# Altium PCB Thermostat_8CH.PCBDOC (part 8 of 10) (continued)
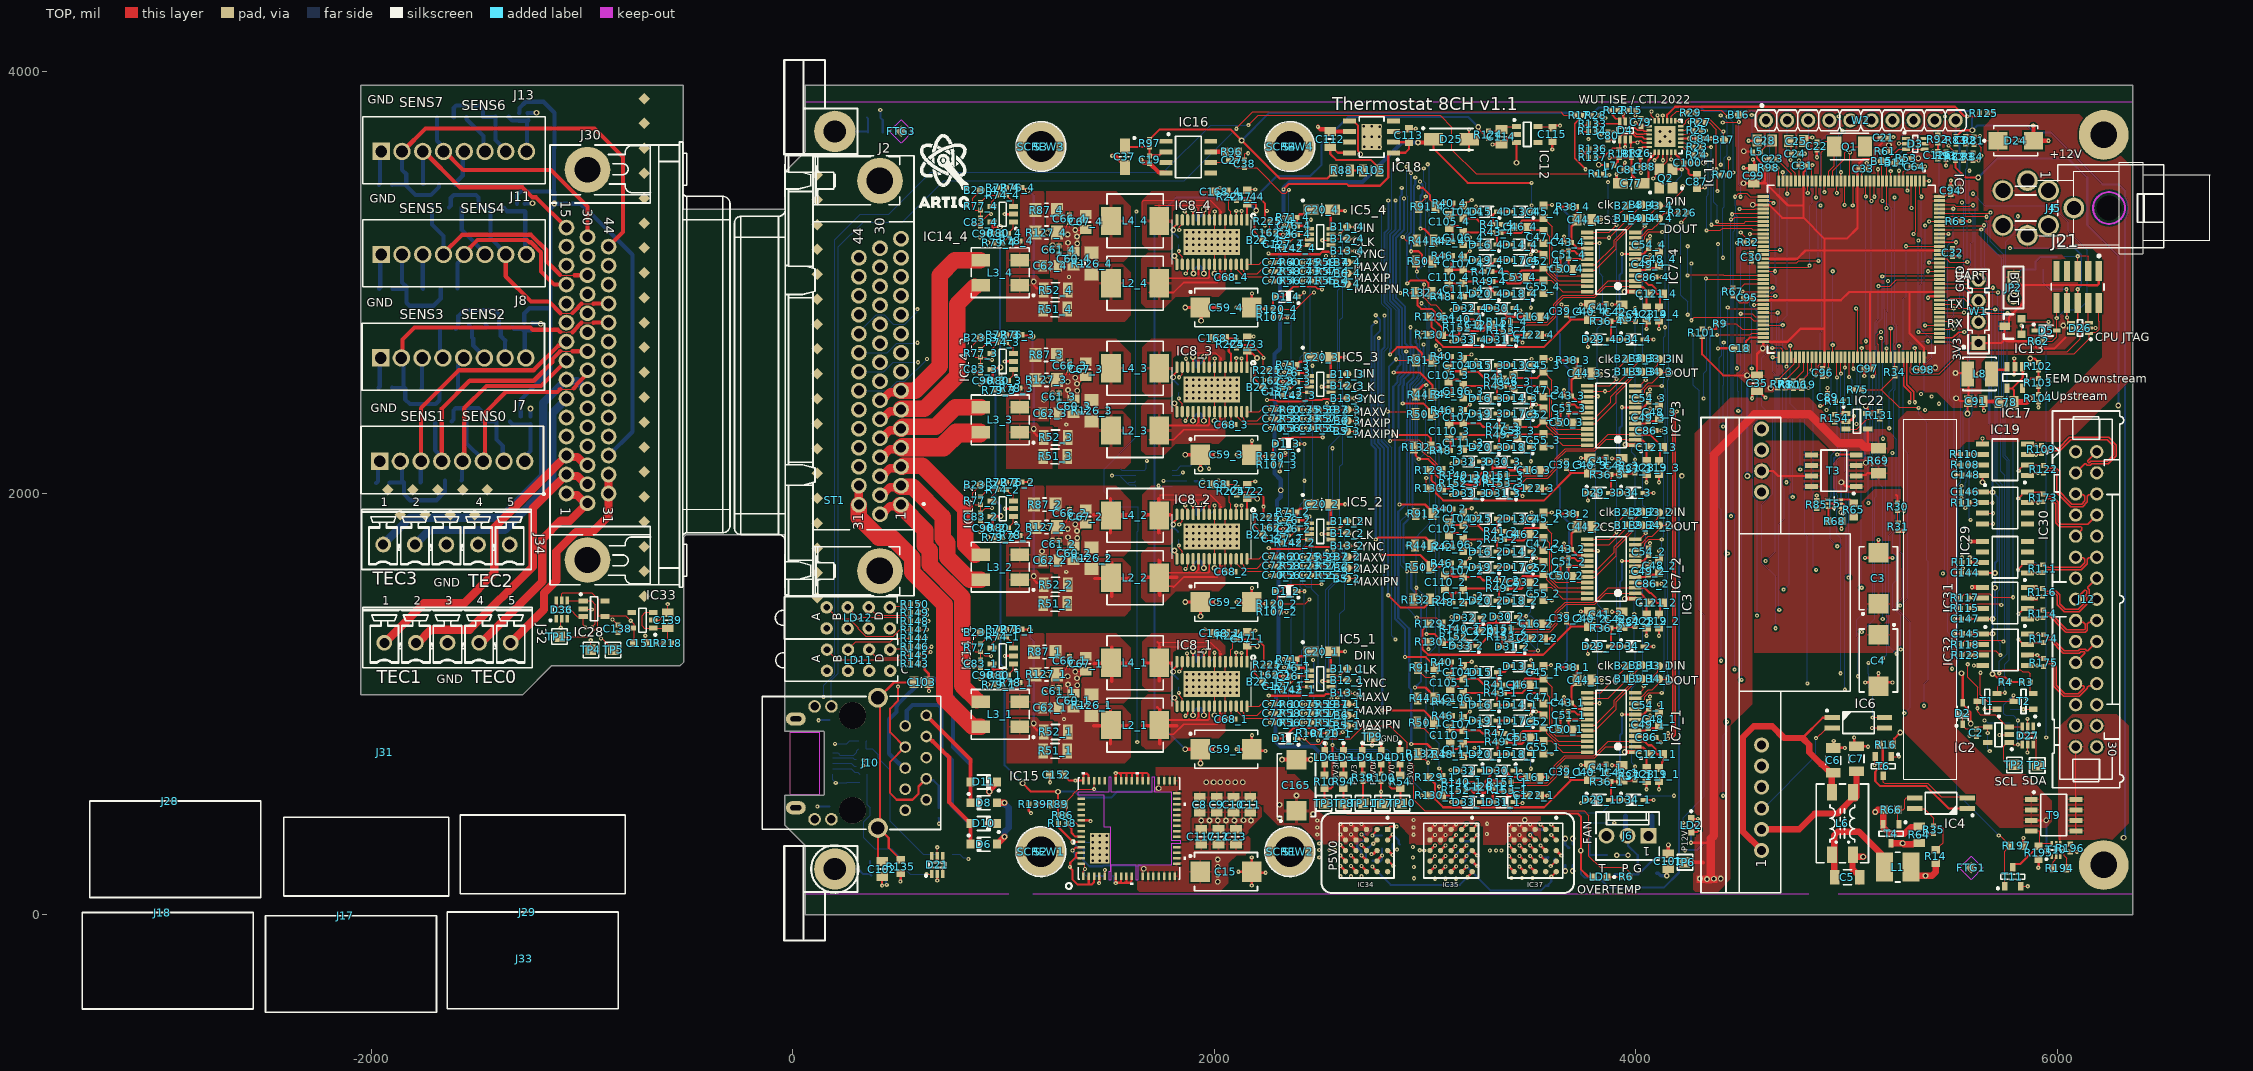
[diagram p0: TOP view]
## Nets (pads, with @x,y where several pads share a name; then routed paths per layer and width w, separated by ;. In a path a pad name is that pad's centre, name@x,y a point inside that pad or via, vN(x,y) a via of type N, cw(c..) or ccw(c..) an arc to the next point about the centre after c; other vN are vias at no path point) (continued)
  L2 w19.68: v2(4304.93,171.26) 4311.19,165 4339.4,165 4337.5,166.9 v2(4337.5,169)
  L2 w35: v2(2016.14,262.53) 2116.27,262.53 2249.97,128.82 ; 3015.24,203.58 3015.24,167.74 3054.15,128.82 4283.79,128.82 4304.29,149.33 4304.29,160.5 4308.79,165 4339.4,165 4339.4,174.65 v2@4339.68,174.93
  BOT w10: v2@1329.62,342 1356.66,314.96 C14.2@1383.86,314.96 1382,313.1 1382,269.28 1375.5,262.79 1375.5,261.21 1406.72,230 1469.36,230 1472.36,233 1651,233 1665,219 v2(1665,218.47) ; v2(2129.21,3674.47) 2260.74,3806 3799.33,3806 3824.91,3831.58 4216.38,3831.58 4219.15,3834.34 4304.33,3834.34 4324.18,3814.5 5589,3814.5 5594.86,3808.64 5594.86,3724.95 v2(5597.13,3722.69) 5619.33,3744.89 5857.93,3744.89 5890.03,3712.8 5969.01,3712.8 6215.81,3466 6291,3466 6317.76,3439.24 6320.69,3436.31 6320.69,3404.5 cw(c6245.7,3353.73) 6336.26,3353.6 6336.26,3352.9 cw(c6245.7,3353.73) 6320.69,3302.95 6320.69,370.69 v2(6315,365) ; v1(4262.08,341.62) 4262.08,377.44 R90.2@4262.8,378.15
  BOT w11.81: v2@3665.06,206.02 C166.2@3665.06,234.36 ; v2(3700.89,207.47) C166.2@3700.89,235.81
  BOT w15.75: T7.2@4099.5,196.96 4107.38,196.96 4119.38,184.95 v5(4146.39,184.95) 4147.38,185.93 4147.38,214.87 R13.2@4148.36,215.86
  other v1: 3047.45,170.73 3097.15,170.73 3147.45,170.73 2947.48,173.08 3410.48,174.43 3460.18,174.43 3510.48,174.43 2598.08,183.22 2648.08,183.22 2698.08,183.22 2946.49,226.41 3247.28,280.81
  other v2: 2016.14,156.23 4402.99,171.26 2016.14,191.66 3665.06,207.47 2016.14,227.09
P12V0_EEM: J12.28 J12.29 T9.5 T9.6 T9.7 T9.8 T10.4 | length 441.1
  TOP w5: T10.4@6013.74,338.67 6013.74,354.96 6012.88,355.82 6012.88,359.96 6013.74,360.82 6013.74,379.25 ; J12.29@6087.18,796.79 6087.18,400.1 T9.5@6089.36,397.92
P12V0_IN: D24.1 IC22.5 J4.3 J5.3 J5.4 R69.1 R131.2 T3.1 T3.2 T3.3 T5.1 T9.1 T9.2 T9.3 T10.1 | length 980.6
  TOP w10: T5.1@4972.06,1931.1 4974.5,1931.1 4975.41,1930.2 4973.73,1930.2 4973.73,1911.27 v2(4975.41,1909.6) ; v2(4975.41,2052.12) 4976.52,2052.12 4996.31,2032.33 T3.1@5045.88,2032.33 ; T3.2@5045.88,2082.33 5051.2,2087.64 5091.39,2087.64 5098.66,2094.92 R69.1@5151.57,2094.92 ; v2(5091,2413) 5091,2408 5100.39,2398.61 IC22.5@5100.39,2379.16 5110.24,2379.16 5120.48,2389.4 R131.2@5157.48,2389.4 ; T9.3@5876.76,447.92 5876.8,447.96 v2(5948,448) v2(5948,448) ; v2(5949.26,304.66) 5951.49,304.66 5974.37,281.78 T10.1@5974.37,276.46
  BOT w10: v2(4975.41,1909.6) 4973.54,1911.47 4973.54,2050.25 v2(4975.41,2052.12) ; v2@5086.54,2408 5086.54,2149.63 v2(5091.65,2144.52) ; v2(5948,448) 5948.63,447.37 5948.63,306.55 5948,305.92 v2(5949.26,304.66)
P12V0_POE: C3.1 C4.1 IC3.8 R30.2 T3.5 T3.6 T3.7 T3.8 T5.4 | length 288.6
  TOP w10: IC3.8@4596.85,2105.72 4652.54,2105.72 4675.93,2082.33 T3.7@4833.28,2082.33 ; 5233.95,1992.14 5235.93,1992.14 5241.78,1986.28 R30.2@5241.78,1954.05
PC13: IC9.7 W2.9 | length 363.1
  TOP w5: IC9.7@5249.13,3482.03 v1(5249.13,3530.51)
  BOT w5: v1(5249.13,3530.51) 5249.13,3609.82 5409.22,3769.91 W2.9@5418.1,3769.91
PC14: IC9.8
PC15: IC9.9 W2.8 | length 349.9
  TOP w5: IC9.9@5209.76,3482.03 v1(5209.76,3528.65)
  BOT w5: v1(5209.76,3528.65) 5209.76,3594.94 5266.28,3651.46 5266.28,3747.39 5277.14,3758.25 5306.44,3758.25 W2.8@5318.1,3769.91
PF9_ADCIN: IC9.21 W2.7 | length 500.4
  TOP w5: IC9.21@4973.54,3482.03 v1(4973.54,3523.6)
  L2 w5: v1(4979.57,3721.16) 5169.36,3721.16 W2.7@5218.11,3769.91
  BOT w5: v1(4973.54,3523.6) 4973.54,3701.32 4976.76,3704.55 4976.76,3718.35 v1(4979.57,3721.16)
PF10_ADCIN: IC9.22 W2.6 | length 612.4
  TOP w5: v1(4953.85,3424.96) IC9.22@4953.85,3482.03
  L2 w5: v1(4962.64,3788.65) 5019.75,3824.11 5063.91,3824.11 W2.6@5118.11,3769.91
  BOT w5: v1(4953.85,3424.96) 4953.85,3634.79 4962,3642.94 4962,3788.01 v1(4962.64,3788.65)
PF12: IC9.50 W2.2 | length 710.4
  TOP w5: IC9.50@4604.44,3152.3 4605.79,3153.65 4682.65,3153.65 v1(4684,3155)
  BOT w5: v1(4684,3155) 4684,3486.07 4718.11,3520.18 4718.11,3573.74 4717.24,3574.61 4717.24,3672.17 4718.11,3673.04 W2.2@4718.11,3769.91
PF13: IC9.53 W2.4 | length 973.9
  TOP w5: IC9.53@4604.44,3093.25 4764.03,3093.25 4773.87,3103.09 v1(4866.14,3103.09)
  BOT w5: v1(4866.14,3103.09) 4866.14,3237.13 4859.66,3243.61 4859.66,3373.68 4877,3391.02 4877,3605.2 4859.66,3622.54 4859.66,3654.24 4918.11,3712.7 W2.4@4918.11,3769.91
PF14: IC9.54 W2.3 | length 934.2
  TOP w5: IC9.54@4604.44,3073.56 4817.79,3073.56 v1(4824.5,3080.27)
  BOT w5: W2.3@4818.11,3769.91 4819.61,3768.41 4819.61,3572 4810.15,3562.53 4810.15,3510.7 4838.08,3482.76 4838.08,3379.03 4824.5,3365.45 v1(4824.5,3080.27)
PF15: IC9.55 W2.1 | length 790.4
  TOP w5: IC9.55@4604.44,3053.88 v1(4661.04,3053.88)
  BOT w5: W2.1@4618.11,3769.91 4618.11,3750.6 4635.57,3733.14 4635.57,3369.61 4661.04,3344.13 v1(4661.04,3053.88)
PHY_RD_N: D4.1 IC11.22 R18.2 R137.1 | length 346.6
  TOP w6: R137.1@3813.74,3593.89 3845.29,3593.89 3889.54,3638.14 3913.07,3638.14 R18.2@3921.48,3629.72 3923.61,3631.85 3923.61,3689.17 3933.32,3698.89 3933.32,3700.36 3938.01,3705.05 3985.97,3705.05 3998.94,3692.08 4031.48,3692.08 4040.49,3683.07 IC11.22@4063.77,3683.07
PHY_RD_P: D4.3 IC11.23 R19.2 R136.1 | length 354.3
  TOP w6: R136.1@3814.92,3633.86 3814.92,3634.65 3823.34,3643.06 3826.22,3643.06 3826.86,3643.7 v1@3844.43,3643.7 ; 3974.79,3658.51 D4.3@3974.79,3678.35 ; R19.2@3979.9,3629.72 3974.79,3634.84 3974.79,3655.45 3976.62,3657.28 3976.62,3658.51 3980.21,3662.1 3983.11,3665 4006.39,3665 4008,3663.39 4009.34,3663.39 4018.36,3672.4 4023.33,3672.4 4032.34,3663.39 IC11.23@4063.77,3663.39
  L2 w6: v1(3846.06,3643.7) 3916.38,3643.7 3937.68,3665 v1(4008,3665)
PHY_TD_N: D4.4 IC11.20 R15.1 R134.1 | length 467.8
  TOP w6: R134.1@3817.85,3723.2 R134.1@3812.56,3717.91 3812.56,3717.12 3820.98,3708.7 3821.77,3708.7 3824.33,3706.14 3833.25,3706.14 v1(3835.87,3703.52) ; v1(3997.74,3793.1) 3997.74,3813.73 3997.74,3814.51 R15.1@4000.22,3817 4000.22,3814.51 4000.22,3793.1 3995.12,3787.99 3995.12,3785.29 3988.15,3778.32 3979.66,3778.32 3974.79,3773.45 3974.79,3754.13 3965.37,3744.72 3965.37,3738.28 3968.89,3734.76 3996,3734.76 4008.88,3721.89 4036.4,3721.89 4040.19,3718.1 4051.35,3718.1 4055.7,3722.44 IC11.20@4063.77,3722.44
  L2 w6: v1(3835.87,3703.52) 3880.66,3748.31 3952.95,3748.31 v1(3997.74,3793.1)
PHY_TD_P: D4.6 IC11.21 R12.1 R133.1 | length 365.9
  TOP w6: R133.1@3813.74,3753.34 3814.53,3754.13 D4.6@3923.61,3754.13 ; R12.1@3878.76,3817.34 3887.17,3808.93 3887.17,3795.63 3904.49,3778.32 3918.73,3778.32 3923.61,3773.45 D4.6@3923.61,3754.13 ; IC11.21@4063.77,3702.76 4055.7,3702.76 4051.35,3707.1 4040.33,3707.1 4036.4,3703.17 4003.41,3703.17 3990.53,3716.05 3960.22,3716.05 3933.32,3742.95 3933.32,3744.42 D4.6@3923.61,3754.13
PN_1: C62_1.1 C63_1.2 IC8_1.14 L3_1.2 R78_1.1 R87_1.2 R127_1.2 | length 741.6
  TOP w10: v2(1804.21,1153) 1803.36,1153.85 1803.36,1162.14 1822.13,1180.91 IC8_1.14@1822.13,1200.98
  L2 w10: v2(1191.95,1051.79) 1410.12,1051.79 1511.62,1153.3 v2@1803.07,1153.3
  BOT w10: v2@1804.92,1140.7 C63_1.2@1827.76,1117.87
PN_2: C62_2.1 C63_2.2 IC8_2.14 L3_2.2 R78_2.1 R87_2.2 R127_2.2 | length 751
  TOP w10: v2(1804.92,1852.08) 1808.28,1855.44 1808.28,1864.54 IC8_2.14@1821.18,1877.43
  L2 w10: v2(1181.68,1724.94) 1375.05,1724.94 1502.23,1852.12 v2@1803.07,1852.12
  BOT w10: v2(1804.92,1852.08) 1804.92,1839.52 C63_2.2@1827.76,1816.69
PN_3: C62_3.1 C63_3.2 IC8_3.14 L3_3.2 R78_3.1 R87_3.2 R127_3.2 | length 749.8
  TOP w10: v2@1807,2557 1807.57,2557.57 1807.57,2562.65 1822.13,2577.2 IC8_3.14@1822.13,2598.62
  L2 w10: v2(1192,2444) 1697.28,2444 v2(1804.21,2550.94)
  BOT w10: v2@1799.94,2550.94 v2(1804.21,2550.94) ; v2@1807,2548 1807.57,2547.43 1807.57,2535.69 C63_3.2@1827.76,2515.5
PN_4: C62_4.1 C63_4.2 IC8_4.14 L3_4.2 R78_4.1 R87_4.2 R127_4.2 | length 727.4
  TOP w10: v2@1803.69,3253 1804.9,3251.8 v2(1804.9,3249.28) ; v2@1804.92,3260.16 1822.13,3277.36 IC8_4.14@1822.13,3297.44
  L2 w10: v2(1200,3149) 1704.62,3149 v2(1804.9,3249.28)
  BOT w10: v2@1804.92,3237.15 C63_4.2@1827.76,3214.32
PNS_1: C66_1.1 C67_1.2 L4_1.2 R87_1.1 R126_1.2 | length 518.5
  TOP w8: R87_1.1@1262.83,1228.99 R87_1.1@1262.83,1268.36
  TOP w10: 1427.26,1190.98 1430.95,1194.68 1582.73,1194.68
  TOP w15.75: 1432.32,1192.98 1593.37,1192.98 ; 1512.84,1107.86 1512.84,1268.91
PNS_2: C66_2.1 C67_2.2 L4_2.2 R87_2.1 R126_2.2 | length 503.5
  TOP w8: R87_2.1@1262.83,1927.81 R87_2.1@1262.83,1967.18
  TOP w10: 1446.85,1893.79 1453.09,1887.55 1586.28,1887.55
  TOP w15.75: 1426.32,1897.8 1587.37,1897.8 ; 1506.84,1812.68 1506.84,1973.73
PNS_3: C66_3.1 C67_3.2 L4_3.2 R87_3.1 R126_3.2 | length 39.4
  TOP w8: R87_3.1@1269.74,2638.6 R87_3.1@1269.74,2677.97
PNS_4: C66_4.1 C67_4.2 L4_4.2 R87_4.1 R126_4.2
POE_IN1: D7.2 D23.1 J10.5 | length 1240
  BOT w20: J10.5@533.04,695.87 526.84,695.87 503.77,718.94 501.18,718.94 456.11,764 456.11,927.73 491.14,962.76 491.14,985.96 ccw(c403.12,1025.79) 494.55,994.55 621.14,1121.15 670.2,1121.15 759.34,1032.01 759.34,795.78 842.52,712.6 D7.2@842.52,629.92 D23.1@842.52,531.5
POE_IN2: D6.1 D10.2 J10.8 | length 606.6
  TOP w20: J10.8@633.04,845.87 639.24,845.87 662.32,822.8 664.91,822.8 709.97,777.73 742.13,745.58 742.13,533.46 831.26,444.33 834.41,444.33 842.52,436.22 D10.2@842.52,433.07 ; D6.1@842.52,334.65 842.52,429.13 D10.2@846.46,433.07
POE_IN3: D8.1 D11.2 J10.10 | length 501.1
  TOP w20: J10.10@633.04,945.87 842.52,736.39 D11.2@842.52,629.92 D8.1@842.52,531.5
POE_IN4: D9.1 D22.2 J10.9 | length 964.9
  BOT w20: J10.9@533.04,895.87 539.76,902.59 539.76,967.65 567.02,994.91 692.02,994.91 703.74,983.2 703.74,783.96 753.6,734.1 753.6,518.06 827.32,444.33 834.41,444.33 842.52,436.22 D22.2@842.52,433.07 D9.1@842.52,334.65
POE_PWR_SRC: IC9.12 R30.1 R31.2 | length 2521.3
  TOP w5: v1(5149.27,3537.47) 5149.98,3536.75 5149.98,3482.75 IC9.12@5150.7,3482.03 ; R31.2@5245.42,1860.49 5241.78,1864.13 R30.1@5241.78,1917.04 v1(5272.39,1917.04)
  L2 w5: v1(5149.27,3537.47) 5194.05,3537.47 5204.43,3547.85 5350.27,3547.85 5367.61,3530.51 v1(5582.86,3530.51) ; v1(5272.39,1917.04) 5547.89,1917.04 5560.75,1929.91 v1(5563.08,1929.91)
  BOT w5: v1(5563.08,1929.91) 5563.08,2050.73 5567.12,2054.77 5567.12,2171.62 5553.11,2185.63 5553.11,2386.84 5575.02,2408.75 5575.02,2754.1 5575.85,2754.93 5575.85,2791.44 5575.02,2792.28 5575.02,3068.09 5590.2,3083.27 5590.2,3186.45 5600.2,3196.45 5600.2,3316.65 5582.86,3333.99 v1(5582.86,3530.51)
POE_VC+: D7.1 D10.1 D11.1 D22.1 L1.1 R14.2 | length 5336.3
  TOP w30: v2(925.2,433.07) D10.1@964.57,433.07 ; v2(932.27,583.48) 932.27,590.54 965.39,623.66 965.39,626.81 D11.1@968.5,629.92 ; L1.1@5304.99,208 5327.99,185 v2(5375,185) ; v2@5368.57,185 v2(5375,185) ; R14.2@5423.23,244.97 5423.23,202.57 5405.65,185 v2(5375,185)
  L2 w30: v2(932.27,583.48) 925.2,576.41 v2(925.2,433.07) 925.2,275.59 1046.02,154.76 1046.96,154.76 1079.96,121.76 1079.96,77.79 1115.66,42.09 4844.34,42.09 4890.81,88.56 4890.81,108.29 4940.01,157.48 5340.48,157.48 v2@5368,185
  BOT w30: v2(925.2,433.07) D22.1@968.5,433.07 ; v2(932.27,583.48) 932.27,590.54 965.39,623.66 965.39,626.81 D7.1@968.5,629.92
POE_VC-: D6.2 D8.2 D9.2 D23.2 R35.1 R64.1 R66.1 T4.2 | length 753
  TOP w10: D6.2@964.57,334.65 D6.2@964.57,341.73 ; D8.2@968.5,528.35 D8.2@968.5,531.5 ; R64.1@5345,419.37 5353.86,419.37 5367.56,405.67 5367.56,403.44 5385.96,385.04 R35.1@5413.39,385.04
  TOP w30: D6.2@968.5,334.65 v2(1003.94,370.08) ; D8.2@968.5,531.5 v2(1003.94,531.5) ; v2(5136.44,487.28) 5147.7,498.54 5177.83,498.54 5180.42,495.95 5173.83,489.37 T4.2@5173.83,429.13 ; T4.2@5177.17,413.39 5206.55,384 5274,384 5305.67,415.67 5332.44,415.67 5336.14,419.37 R64.1@5345,419.37
  BOT w30: D9.2@964.57,334.65 v2@1001.97,372.05 ; D23.2@968.5,531.5 968.5,528.35 971.61,525.24 v2@1003.94,525.24 ; v2@1003.94,374.02 1003.94,393.7 1023.62,413.39 1023.62,507.66 v2@1006.05,525.24
PP_1: C60_1.1 C61_1.2 C62_1.2 C63_1.1 IC8_1.16 L2_1.2 R51_1.2 R52_1.2 R126_1.1 | length 1041.8
  TOP w5: v1(1831.69,1052.9) 1831.69,1050.01 1827.76,1046.08 1847.72,1026.12 IC8_1.16@1847.72,989.96
  TOP w15.75: 1426.32,896.89 1587.37,896.89 ; 1506.84,811.77 1506.84,972.82
  L2 w5: v1(1286.61,928.25) 1314.12,955.77 1766.98,955.77 1831.69,1020.47 v1(1831.69,1052.9)
  BOT w5: C63_1.1@1827.76,1082.43 1831.69,1078.5 v1(1831.69,1052.9)
PP_2: C60_2.1 C61_2.2 C62_2.2 C63_2.1 IC8_2.16 L2_2.2 R51_2.2 R52_2.2 R126_2.1 | length 1178.1
  TOP w5: 1437.09,1602.12 1443.5,1595.71 1581,1595.71 ; v1(1831.69,1751.72) 1831.69,1748.83 1827.76,1744.9 1847.72,1724.94 IC8_2.16@1847.72,1688.78
  TOP w15.75: 1432.32,1595.71 1593.37,1595.71 ; 1512.84,1510.58 1512.84,1671.64
  L2 w5: v1(1296.89,1627.07) 1324.4,1654.58 1766.98,1654.58 1831.69,1719.29 v1(1831.69,1751.72)
  BOT w5: C63_2.1@1827.76,1781.25 1831.69,1777.32 v1(1831.69,1751.72)
PP_3: C60_3.1 C61_3.2 C62_3.2 C63_3.1 IC8_3.16 L2_3.2 R51_3.2 R52_3.2 R126_3.1 | length 709.4
  TOP w5: v1(1831.69,2450.54) 1831.69,2447.65 1827.76,2443.72 1847.72,2423.76 IC8_3.16@1847.72,2387.6
  L2 w5: v1(1296.89,2325.89) 1739.47,2325.89 1831.69,2418.11 v1(1831.69,2450.54)
  BOT w5: C63_3.1@1827.76,2480.07 1831.69,2476.14 v1(1831.69,2450.54)
PP_4: C60_4.1 C61_4.2 C62_4.2 C63_4.1 IC8_4.16 L2_4.2 R51_4.2 R52_4.2 R126_4.1 | length 695.7
  TOP w5: v1(1831.69,3149.36) 1831.69,3146.47 1827.76,3142.54 1847.72,3122.58 IC8_4.16@1847.72,3086.42
  L2 w5: v1(1309.96,3026.27) 1741.03,3026.27 1831.69,3116.93 v1(1831.69,3149.36)
  BOT w5: C63_4.1@1827.76,3178.89 1831.69,3174.96 v1(1831.69,3149.36)
PPS_1: IC8_1.15 L3_1.1 R51_1.1 R52_1.1 R76_1.1 | length 1310.4
  TOP w10: R76_1.1@1086.54,1354.47 1087.97,1353.03 1122.82,1353.03 v2(1124.25,1351.59) ; v2(1142.72,908.13) 1144.38,906.47 1144.38,889.09 1158.05,875.42 1181.68,875.42 R52_1.1@1189.83,867.28 ; v2@1813.77,1019.74 1822.13,1011.38 IC8_1.15@1822.13,989.96
  L2 w10: v2@1135.16,906.47 1207.1,906.47 1286.61,985.98 1767.1,985.98 v2(1810.41,1029.28)
  BOT w10: v2(1124.25,1351.59) 1124.25,1315.5 1142.76,1297 v2@1142.76,921.35
PPS_2: IC8_2.15 L3_2.1 R51_2.1 R52_2.1 R76_2.1 | length 1312.1
  TOP w10: R76_2.1@1086.54,2053.29 v2(1124.25,2053.29) ; v2(1142.72,1606.95) 1144.38,1605.28 1144.38,1587.91 1158.05,1574.24 1181.68,1574.24 R52_2.1@1189.83,1566.09 ; v2@1813.77,1718.56 1822.13,1710.2 IC8_2.15@1822.13,1688.78
  L2 w10: v2@1135.16,1605.28 1207.1,1605.28 1286.61,1684.8 1767.1,1684.8 v2(1810.41,1728.1)
  BOT w10: v2(1124.25,2053.29) 1124.25,2049.6 1142.76,2031.09 v2@1142.76,1620.17
PPS_3: IC8_3.15 L3_3.1 R51_3.1 R52_3.1 R76_3.1 | length 1315.1
  TOP w10: R76_3.1@1086.54,2752.11 1090.57,2748.08 1133.51,2748.08 v2(1136.87,2744.72) ; v2(1142.72,2305.76) 1144.38,2304.1 1144.38,2286.72 1158.05,2273.06 1181.68,2273.06 R52_3.1@1189.83,2264.91 ; v2@1813.77,2417.38 1822.13,2409.02 IC8_3.15@1822.13,2387.6
  L2 w10: v2@1135.16,2304.1 1141.06,2304.1 1263.87,2426.92 v2(1810.41,2426.92)
  BOT w10: v2(1136.87,2744.72) 1136.87,2532.42 1142.76,2526.53 v2@1142.76,2318.99
PPS_4: IC8_4.15 L3_4.1 R51_4.1 R52_4.1 R76_4.1 | length 1300.6
  TOP w10: R76_4.1@1086.54,3450.93 1086.54,3450.63 1092.95,3444.22 1111.1,3444.22 v2@1114.46,3440.86 ; v2(1142.72,3004.58) 1144.38,3002.92 1144.38,2985.54 1158.05,2971.87 1181.68,2971.87 R52_4.1@1189.83,2963.73 ; v2@1813.77,3116.2 1822.13,3107.84 IC8_4.15@1822.13,3086.42
  L2 w10: v2@1135.16,3002.92 1141.06,3002.92 1263.87,3125.74 v2(1810.41,3125.74)
  BOT w10: v2@1114.46,3440.86 1142.76,3412.55 v2@1142.76,3017.81
  other v2: 1114.46,3437.9
PWM_maxINeg0: B5_1.1 IC9.96 R55_1.1 | length 4139.7
  TOP w5: R55_1.1@2577.36,911.7 2605.43,911.7 2620.37,896.76 B5_1.1@2628.94,896.76 2629.56,897.38 2662.38,897.38 v1(2663,898) ; v1(5124.61,2555) 5126,2555 5138.91,2567.91 5138.91,2606.59 5134.52,2610.99 5133.95,2610.99 5131.02,2613.91 IC9.96@5131.02,2645.41
  L2 w5: v1(2663,898) 3895.5,898 3912.59,915.09 4272.23,915.09 4435.14,1078 4818.53,1078 4831.87,1091.34 5014.15,1091.34 v1(5054.62,1131.81)
  BOT w5: v1(5054.62,1131.81) 5054.62,1311.74 5047.47,1318.88 5047.47,1399.94 5124.23,1476.7 5124.23,2012.27 5124.61,2012.65 v1(5124.61,2555)
PWM_maxINeg1: B5_2.1 IC9.135 R55_2.1 | length 4560.3
  TOP w5: R55_2.1@2577.36,1610.52 2605.43,1610.52 2620.37,1595.58 B5_2.1@2628.94,1595.58 2630.5,1597.14 2669.97,1597.14 v1(2671.53,1598.71) ; IC9.135@5441.06,3231.04 v1(5483,3231)
  L2 w5: v1(2671.53,1598.71) 2685.18,1612.36 4858.22,1612.36 4864.86,1619 v1(5457,1619)
  BOT w5: v1(5457,1619) 5466.64,1628.64 5466.64,3214.64 v1(5483,3231)
PWM_maxINeg2: B5_3.1 IC9.98 R55_3.1 | length 3106
  TOP w5: R55_3.1@2577.36,2309.34 2605.43,2309.34 2620.37,2294.4 B5_3.1@2628.94,2294.4 2629.87,2293.46 2666.54,2293.46 v1(2667.47,2292.53) ; v1(5163.31,2736.22) 5166.91,2736.22 5169.84,2733.29 5169.84,2645.96 IC9.98@5170.39,2645.41
  L2 w5: v1(2667.47,2292.53) 2691.88,2316.93 v1(4414.37,2316.93) ; v1(4417.32,2714.88) 4441.09,2738.65 5160.89,2738.65 v1(5163.31,2736.22)
  BOT w5: v1(4414.37,2316.93) 4414.37,2513.01 4417.34,2515.99 v1(4417.32,2714.88)
PWM_maxINeg3: B5_4.1 IC9.99 R55_4.1 | length 3005.6
  TOP w5: R55_4.1@2577.36,3008.15 2605.43,3008.15 2620.37,2993.22 v1(2667.24,2993.22) ; IC9.99@5190.07,2645.41 v1(5190.07,2687.74)
  L2 w5: v1(2667.24,2993.22) 2687.37,3013.34 4095.18,3013.34 4106.76,3001.76 5187.16,3001.76 5192.71,3007.32 v1(5196.69,3007.32)
  BOT w5: v1(5190.07,2687.74) 5190.07,2718.33 5190.66,2718.92 5190.66,2858.12 5196.69,2864.15 v1(5196.69,3007.32)
PWM_maxIPos0: B6_1.1 IC9.81 R57_1.1 | length 3907.5
  TOP w5: R57_1.1@2578.54,956.14 2578.54,955.77 2587.46,946.85 B6_1.1@2631.39,946.85 2632.82,945.42 2664.58,945.42 v1(2666,944) ; IC9.81@4832,2642 4835.37,2638.63 4835.37,2585.37 v1(4835,2585)
  L2 w5: v1(2666,944) 3277.09,944 3306.09,915 3873.4,915 3950.4,992 4043.98,992 4061.98,974 4274.48,974 4397.48,1097 4813,1097 v1(4814,1098)
  BOT w5: v1(4814,1098) 4814,1797.28 4802.16,1809.12 4802.16,2552.16 v1(4835,2585)
PWM_maxIPos1: B6_2.1 IC9.82 R57_2.1 | length 3310.3
  TOP w5: R57_2.1@2578.54,1654.96 2578.54,1654.58 2587.46,1645.67 v1(2671.53,1645.67) ; v1(4855.43,2559.5) IC9.82@4855.43,2645.41
  L2 w5: v1(2671.53,1645.67) 2672.91,1647.05 3253.34,1647.05 3268.76,1631.62 4846.5,1631.62 4851.45,1636.57 v1(4855.43,1636.57)
  BOT w5: v1(4855.43,1636.57) 4841.53,1650.47 4841.53,2545.6 v1(4855.43,2559.5)
PWM_maxIPos2: B6_3.1 IC9.85 R57_3.1 | length 2618.3
  TOP w5: R57_3.1@2578.54,2353.78 2578.54,2353.4 2587.46,2344.49 B6_3.1@2631.39,2344.49 2632.59,2343.28 2666.27,2343.28 v1(2667.47,2342.08) ; v1(4914.48,2588.58) IC9.85@4914.48,2645.41
  L2 w5: v1(2667.47,2342.08) 2685.36,2359.97 4869.97,2359.97 v1(4905,2395)
  BOT w5: v1(4905,2395) 4927.2,2417.2 4927.2,2575.87 v1(4914.48,2588.58)
PWM_maxIPos3: B6_4.1 IC9.86 R57_4.1 | length 2792.6
  TOP w5: R57_4.1@2578.54,3052.59 2578.54,3052.22 2587.46,3043.3 B6_4.1@2631.39,3043.3 2631.74,3043.65 2665.65,3043.65 v1(2666,3044) ; IC9.86@4934.17,2645.41 v1(4934.17,2703.19)
  L2 w5: v1(2666,3044) 2944.75,3044 2953.96,3034.8 3597.03,3034.8 3613.77,3051.54 4257.8,3051.54 4272.8,3036.54 4916.82,3036.54 v1(4934.17,3053.88)
  BOT w5: v1(4934.17,2703.19) v1(4934.17,3053.88)
PWM_maxV0: B7_1.1 IC9.60 R59_1.1 | length 3928.7
  TOP w5: R59_1.1@2578.54,999.31 2579.04,999.81 B7_1.1@2631.39,999.81 2632.8,998.4 2664.6,998.4 v1(2666,997) ; v1(4507,2957) 4565.5,2957 4567.05,2955.45 IC9.60@4604.44,2955.45
  L2 w5: v1(2666,997) 3207.01,997 3222.7,1012.69 3513.39,1012.69 3517.48,1008.59 3808.17,1008.59 3839.72,1040.15 4047.45,1040.15 4105.62,1098.32 4159.84,1098.32 4175.87,1114.34 v1(4502,1114.34)
  BOT w5: v1(4502,1114.34) 4503.68,1116.03 4503.68,2565.04 4518,2579.36 4518,2897 4507,2908 v1(4507,2957)
PWM_maxV1: B7_2.1 IC9.64 R59_2.1 | length 3214.3
  TOP w5: R59_2.1@2578.54,1698.13 2579.04,1698.63 B7_2.1@2631.39,1698.63 2632.13,1697.89 2666.73,1697.89 v1(2667.47,1697.15) ; v1(4436,2882) 4441.87,2876.13 4568.75,2876.13 4569.33,2876.71 IC9.64@4604.44,2876.71
  L2 w5: v1(2667.47,1697.15) 2770.9,1697.15 2777.94,1690.11 2989.01,1690.11 3008.52,1709.62 3260.66,1709.62 3263.92,1706.35 3516.06,1706.35 3519.32,1709.62 4117.52,1709.62 4121.9,1714 v1(4436,1714)
  BOT w5: v1(4436,1714) 4434.31,1715.69 4434.31,2297.82 4436,2299.51 v1(4436,2882)
PWM_maxV2: B7_3.1 IC9.66 R59_3.1 | length 2515.2
  TOP w5: R59_3.1@2578.54,2396.95 2579.04,2397.45 v1(2667.41,2397.45) ; v1(4497.75,2852.01) 4552.63,2852.01 4567.29,2837.34 IC9.66@4604.44,2837.34
  L2 w5: v1(2667.41,2397.45) 2807.78,2397.45 2815.45,2405.12 3203.38,2405.12 3213.84,2394.66 3486.68,2394.66 3511.1,2370.24 4465.48,2370.24 v1(4486.34,2391.1)
  BOT w5: v1(4486.34,2391.1) 4486.34,2481.9 4483.24,2485 4483.24,2571.81 4497.75,2586.32 v1(4497.75,2852.01)
PWM_maxV3: B7_4.1 IC9.67 R59_4.1 | length 2311.5
  TOP w5: R59_4.1@2578.54,3095.77 2579.04,3096.26 v1(2663.42,3096.26) ; v1(4263.57,2821.29) 4276.95,2834.67 4542.76,2834.67 4559.77,2817.66 IC9.67@4604.44,2817.66
  L2 w5: v1(2663.42,3096.26) 3260.81,3096.26 3268.76,3088.32 4261.78,3088.32 v1(4263.57,3090.11)
  BOT w5: v1(4263.57,2821.29) v1(4263.57,3090.11)
RD_N: J10.6 R137.2 | length 7496.9
  TOP w6: v1(3737.53,3603.31) 3740.57,3603.31 3747.89,3610.62 3756.37,3610.62 3756.46,3610.54 3762.89,3610.54 3768.32,3605.11 3768.32,3602.31 R137.2@3776.73,3593.89
  L2 w5: J10.6@633.04,745.87 633.04,697.68 596.83,661.47 596.83,645.51 597.98,644.36 597.98,577.1 555.75,534.87 487.98,534.87 453.61,569.24 450.39,572.46 450.39,937.56 573.52,1060.7 573.52,1442.2 541.52,1474.19 506.6,1509.11 311.88,1509.11 238.22,1582.77 187.41,1633.58 187.41,2455.3 174.21,2468.5 163.21,2479.5 163.21,3396.29 460.99,3694.07 1031.67,3694.07 1106,3768.4 1326.24,3768.4 1357.14,3737.5 2042.88,3737.5 2087.57,3782.19 3555.44,3782.19 3604.81,3732.82 3608.7,3728.93 3672.09,3665.54 3763.24,3665.54 3771.31,3657.47 3771.31,3621.72 3760.63,3611.04 3747.8,3611.04 3740.07,3603.31 v1(3737.53,3603.31)
RD_P: J10.3 R136.2 | length 7357.5
  TOP w6: v1@3734.84,3634.21 3737.04,3634.21 3749.64,3621.62 3760.93,3621.62 3761.01,3621.54 3766.38,3621.54 3777.92,3633.07 R136.2@3777.92,3633.86
  L2 w5: J10.3@533.04,595.87 579.91,642.74 584.05,642.74 586.98,639.81 586.98,581.65 551.19,545.87 492.54,545.87 461.39,577.02 461.39,933.01 584.52,1056.14 584.52,1446.75 511.16,1520.11 316.44,1520.11 198.41,1638.14 198.41,2459.86 174.21,2484.06 174.21,3391.73 465.55,3683.07 1036.23,3683.07 1110.56,3757.4 1321.68,3757.4 1352.59,3726.5 2047.43,3726.5 2092.13,3771.19 3550.88,3771.19 3667.53,3654.54 3754.05,3654.54 3760.31,3648.28 3760.31,3626.27 3756.08,3622.04 3749.55,3622.04 3741.82,3629.77 v1(3739.28,3629.77)
RDYn: IC9.112 R226.2 | length 1864.9
  TOP w5: v1(4215.81,3284.83) 4239.95,3308.96 R226.2@4239.95,3331.81 ; IC9.112@5441.06,2778.29 5488.69,2778.29 5490.26,2779.86 v1(5507.61,2779.86)
  L2 w5: v1(4246.23,2847.32) 4285.25,2847.32 4297.91,2834.65 4299.69,2832.87 5397.23,2832.87 5450.24,2779.86 v1(5507.61,2779.86)
  BOT w5: v1(4215.81,3284.83) 4214.28,3283.29 4214.28,2940.7 4246.23,2908.75 v1(4246.23,2847.32)
REF+_1: C119_1.1 C121_1.2 IC7_1.3 R151_1.2 | length 937.7
  TOP w5: R151_1.2@3407.82,629.16 3457.64,629.16 3461.2,625.59 3577.2,625.59 3613.94,662.33 3613.94,706.77 3662.4,755.23 3801.16,755.23 3868.7,822.77 IC7_1.3@3996.87,822.77
  TOP w10: IC7_1.3@3996.87,822.77 4041.08,822.77 4059.76,804.08 4075.08,804.08 4093.76,785.4 4093.76,767.43 4099.62,761.58 C121_1.2@4128.05,761.58 4128.05,726.89 4125.02,723.86 4125.02,710.77 4111.32,697.07 C119_1.1@4110.34,697.07
REF+_2: C119_2.1 C121_2.2 IC7_2.3 R151_2.2 | length 936.7
  TOP w5: R151_2.2@3407.82,1357.5 3469.27,1357.5 3472.84,1353.94 3588.84,1353.94 3618.03,1383.13 3618.03,1436.74 3664.86,1483.57 3801.16,1483.57 3868.7,1551.11 IC7_2.3@3996.87,1551.11
  TOP w10: IC7_2.3@3996.87,1551.11 4041.08,1551.11 4064.68,1527.51 4070.16,1527.51 4093.76,1503.91 4093.76,1485.94 4099.62,1480.08 C121_2.2@4128.05,1480.08 4114.35,1466.38 4114.35,1429.43 C119_2.1@4110.34,1425.41
REF+_3: C119_3.1 C121_3.2 IC7_3.3 R151_3.2 | length 953.3
  TOP w5: R151_3.2@3389.32,2085.85 3457.64,2085.85 3461.2,2082.29 3577.2,2082.29 3615.17,2120.26 3615.17,2162.23 3664.86,2211.92 3801.16,2211.92 3868.7,2279.46 IC7_3.3@3996.87,2279.46 ; C121_3.2@4114.35,2232.95 4128.05,2219.25 C121_3.2@4128.05,2218.27
  TOP w10: IC7_3.3@3996.87,2279.46 4000.58,2275.76 4071.55,2275.76 4114.35,2232.95 4114.35,2157.78 C119_3.1@4110.34,2153.76
REF+_4: C119_4.1 C121_4.2 IC7_4.3 R151_4.2 | length 944.6
  TOP w5: R151_4.2@3405.43,2814.2 3457.64,2814.2 3461.2,2810.63 3577.2,2810.63 3609.64,2843.07 3609.64,2896.11 3653.79,2940.27 3801.16,2940.27 3868.7,3007.81 IC7_4.3@3996.87,3007.81
  TOP w10: IC7_4.3@3996.87,3007.81 4041.08,3007.81 4059.76,2989.12 4075.08,2989.12 4093.76,2970.44 4093.76,2952.47 4099.62,2946.61 C121_4.2@4128.05,2946.61 4114.35,2932.91 4114.35,2886.12 C119_4.1@4110.34,2882.11
REF-_1: C121_1.1 C123_1.2 IC7_1.2 R153_1.2 | length 854.7
  TOP w5: R153_1.2@3407.82,589.79 3457.64,589.79 3483.45,615.59 3581.35,615.59 3623.94,658.19 3623.94,702.63 3666.54,745.23 3805.3,745.23 3857.25,797.18 IC7_1.2@3996.87,797.18
  TOP w10: IC7_1.2@3996.87,797.18 4000.73,793.32 4034.3,793.32 4065.06,762.56 4065.06,760.59 4051.28,746.81 C123_1.2@4051.28,697.07
REF-_2: C121_2.1 C123_2.2 IC7_2.2 R153_2.2 | length 856.7
  TOP w5: R153_2.2@3407.82,1318.13 3407.82,1318.92 3432.84,1343.94 3592.98,1343.94 3628.03,1378.99 3628.03,1432.6 3669,1473.57 3805.3,1473.57 3857.25,1525.52 IC7_2.2@3996.87,1525.52
  TOP w10: IC7_2.2@3996.87,1525.52 4000.73,1521.66 4027.67,1521.66 4037.22,1512.12 4037.22,1508.91 4065.06,1481.06 4065.06,1479.1 4051.28,1465.32 C123_2.2@4051.28,1425.41
REF-_3: C121_3.1 C123_3.2 IC7_3.2 R153_3.2 | length 873.2
  TOP w5: R153_3.2@3389.32,2046.48 3457.64,2046.48 3483.45,2072.29 3581.35,2072.29 3625.17,2116.11 3625.17,2158.09 3669,2201.92 3805.3,2201.92 3858.94,2255.55 3955.13,2255.55 3956.82,2253.87 IC7_3.2@3996.87,2253.87
  TOP w10: IC7_3.2@3996.87,2253.87 4000.73,2250.01 4034.3,2250.01 4065.06,2219.25 4065.06,2217.28 4051.28,2203.5 C123_3.2@4051.28,2153.76
REF-_4: C121_4.1 C123_4.2 IC7_4.2 R153_4.2 | length 862.1
  TOP w5: R153_4.2@3405.43,2774.83 3457.64,2774.83 3483.45,2800.63 3581.35,2800.63 3619.64,2838.93 3619.64,2891.97 3657.93,2930.27 3805.3,2930.27 3857.25,2982.22 IC7_4.2@3996.87,2982.22
  TOP w10: IC7_4.2@3996.87,2982.22 4000.73,2978.36 4034.3,2978.36 4065.06,2947.6 4065.06,2945.63 4051.28,2931.85 C123_4.2@4051.28,2882.11
RMII_CRS_DV: IC9.43 R27.1 | length 744
  TOP w5: R27.1@4327.15,3760.71 4347.6,3760.71 4382.5,3725.81 4382.5,3537.95 v1(4382.01,3537.47) ; v1(4386,3290.34) 4393.78,3282.56 4514.6,3282.56 4522.14,3290.1 IC9.43@4604.44,3290.1
  BOT w5: v1@4384.99,3534.49 4379.03,3534.49 4369.52,3524.98 4369.52,3381.71 4386,3365.23 v1(4386,3290.34)
RMII_MDC: B16.1 IC9.27 IC11.13 | length 1143.8
  TOP w5: IC11.13@4187.78,3767.72 4188.29,3767.21 v1(4206.92,3767.21) ; v1(4412.32,3759.81) 4414.39,3761.87 v1(4489.06,3761.87) 4489.06,3777.31 4487.75,3778.62 B16.1@4487.75,3795.81 ; v1(4855.43,3404.13) IC9.27@4855.43,3482.03
  L2 w5: v1(4206.92,3767.21) 4237.69,3767.21 4248.82,3778.34 4393.79,3778.34 v1(4412.32,3759.81) ; v1@4500.7,3404.13 4503.82,3407.25 4673.32,3407.25 4676.44,3404.13 v1(4855.43,3404.13)
  BOT w5: v1@4411.87,3760.26 v1(4412.32,3759.81) ; v1(4489.06,3761.87) 4488,3760.82 4488,3464.46 4497.14,3455.32 v1(4497.14,3407.25)